# Altium PCB Lancelot.PcbDoc (part 12 of 14)
Units mil, origin at the board's own origin, x right, y up, seen from the top; angles counter-clockwise.
Board outline 4837.61 x 3252.61 mil, 6 copper layers (Top Layer, Mid-Layer 1, Mid-Layer 2, Mid-Layer 3, Mid-Layer 4, Bottom Layer); 372 components, 275 nets, 2062 pads, 1350 vias.
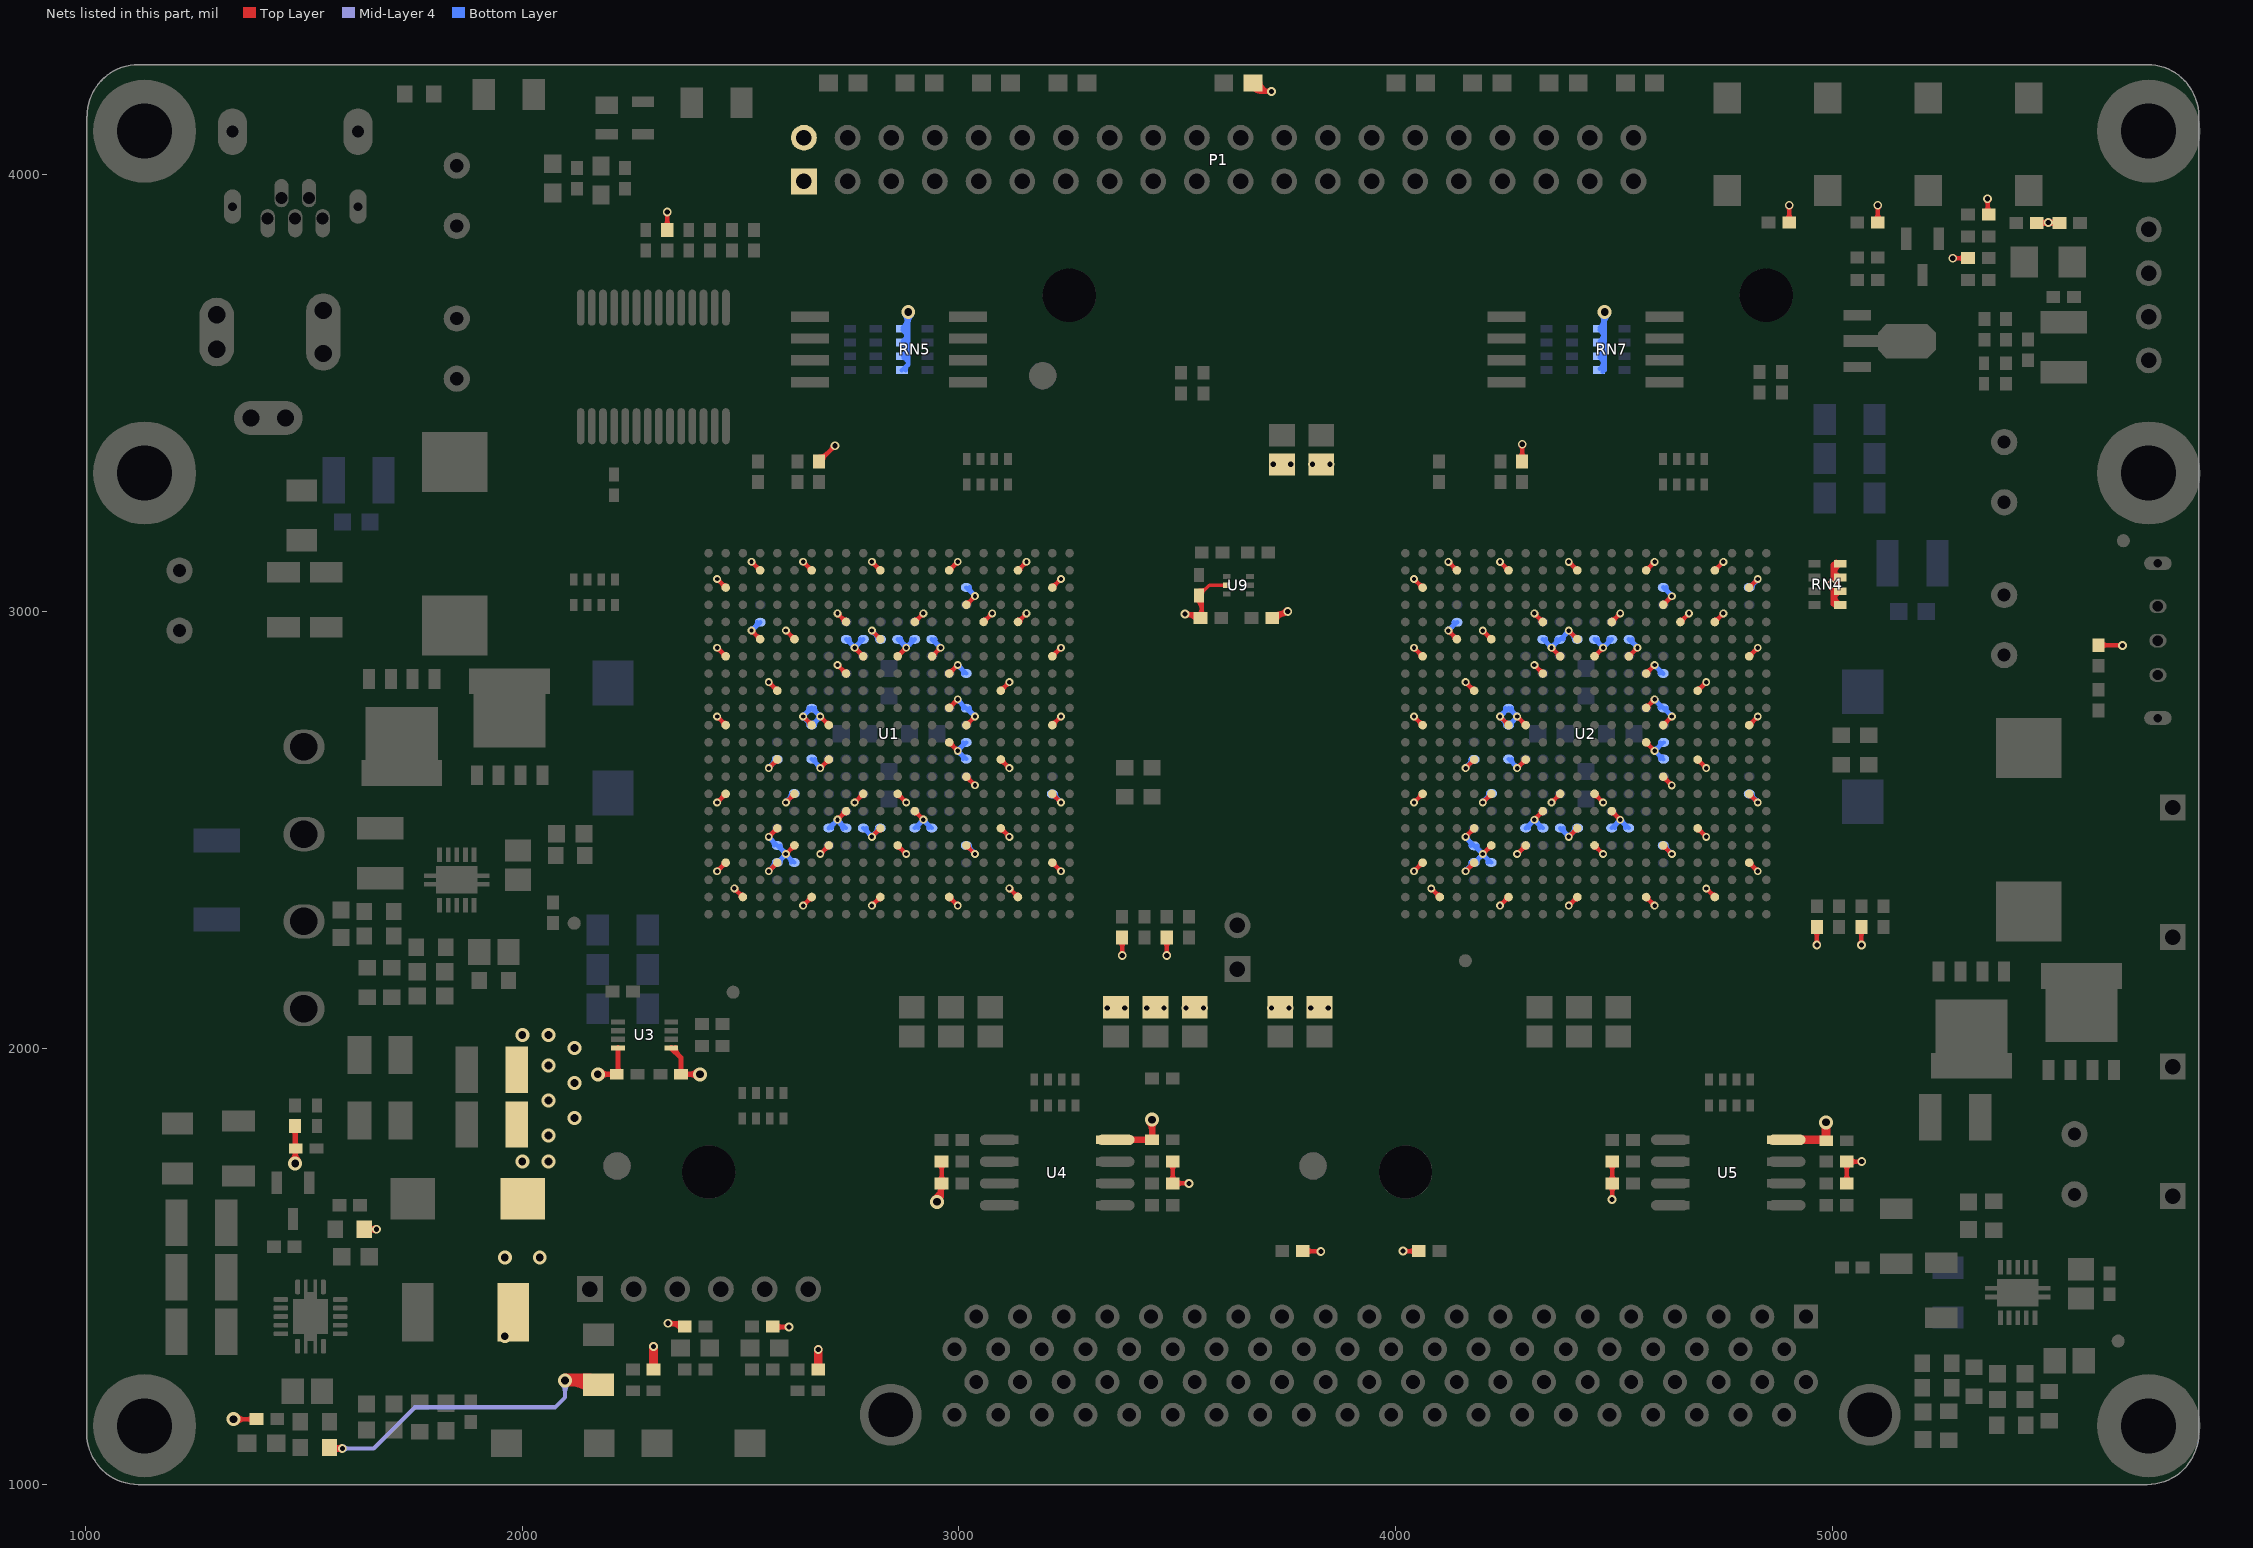
[diagram p16: the nets of this part, all layers, seen from the top]

## Via types
v1: diameter 18, hole 10, Top Layer to Bottom Layer, tented both sides, 625 vias
v2: diameter 20, hole 12, Top Layer to Bottom Layer, tented both sides, 515 vias
v3: diameter 32, hole 18, Top Layer to Bottom Layer, tented both sides, 191 vias
v4: diameter 23.62, hole 11.81, Top Layer to Bottom Layer, tented bottom, 10 vias
v5: diameter 19.68, hole 11.81, Top Layer to Bottom Layer, tented bottom, 4 vias
v6: diameter 118.11, hole 118.11, Top Layer to Bottom Layer, tented bottom, 2 vias
v7: diameter 78.74, hole 78.74, Top Layer to Bottom Layer, tented bottom, 2 vias
v8: diameter 50, hole 28, Top Layer to Bottom Layer, tented both sides, 1 vias

## Nets (pads, with @x,y where several pads share a name; then routed paths per layer and width w, separated by ;. In a path a pad name is that pad's centre, name@x,y a point inside that pad or via, vN(x,y) a via of type N, cw(c..) or ccw(c..) an arc to the next point about the centre after c; other vN are vias at no path point) (continued)
VCC3V3: C1.2 C3.1 C4.2 C7.2 C8.2 C35.2 C36.2 C37.2 C38.2 C39.2 C40.2 C41.2 C42.2 C43.2 C44.2 C45.2 C46.2 C47.2 C48.2 C49.2 C50.2 C51.2 C52.2 C53.2 C54.2 C55.2 C56.2 C57.2 C58.2 C59.1 C60.2 C61.2 C62.2 C63.2 C64.2 C65.2 C101.2 C102.2 C103.2 C104.2 C105.2 C106.2 C107.2 C108.2 C109.2 C110.2 C111.2 C112.2 C113.2 C114.2 C115.2 C116.2 C117.2 C118.2 C119.2 C120.2 C121.2 C122.2 C123.2 C124.2 C125.2 C126.2 C127.2 C128.2 C129.2 C130.2 C131.2 C132.2 C133.2 C134.2 C172.2 C173.2 C182.1 F1.2 HOT.1 L3.2 P1.1 P1.2 R1.2 R5.1 R7.1 R9.1 R11.1 R14.1 R15.1 R16.1 R18.1 R19.1 R20.1 R23.1 R27.1 R28.1 R29.1 R31.1 R32.1 R33.1 R36.1 R58.2 R59.2 R62.2 R64.2 R69.2 R70.2 R73.1 R74.2 R83.1 R85.1 R87.1 R89.1 R91.1 R93.1 R96.2 RN4.1 RN4.2 RN4.3 RN4.4 RN5.1 RN5.2 RN5.3 RN5.4 RN7.1 RN7.2 RN7.3 RN7.4 U1.AA3 U1.AA7 U1.AA11 U1.AA15 U1.AA19 U1.B4 U1.B7 U1.B11 U1.B15 U1.B19 U1.C2 U1.C21 U1.D16 U1.E9 U1.E13 U1.E17 U1.E19 U1.F4 U1.F6 U1.F11 U1.G2 U1.G10 U1.G12 U1.G14 U1.G21 U1.H9 U1.H15 U1.J5 U1.J18 U1.K15 U1.L2 U1.L7 U1.L8 U1.L16 U1.L21 U1.M15 U1.N5 U1.N8 U1.N18 U1.P16 U1.R2 U1.R6 U1.R10 U1.R12 U1.R21 U1.T9 U1.T13 U1.U5 U1.U11 U1.U18 U1.V6 U1.V8 U1.V12 U1.V16 U1.W2 U1.W5 U1.W21 U2.AA3 U2.AA7 U2.AA11 U2.AA15 U2.AA19 U2.B4 U2.B7 U2.B11 U2.B15 U2.B19 U2.C2 U2.C21 U2.D16 U2.E9 U2.E13 U2.E17 U2.E19 U2.F4 U2.F6 U2.F11 U2.G2 U2.G10 U2.G12 U2.G14 U2.G21 U2.H9 U2.H15 U2.J5 U2.J18 U2.K15 U2.L2 U2.L7 U2.L8 U2.L16 U2.L21 U2.M15 U2.N5 U2.N8 U2.N18 U2.P16 U2.R2 U2.R6 U2.R10 U2.R12 U2.R21 U2.T9 U2.T13 U2.U5 U2.U11 U2.U18 U2.V6 U2.V8 U2.V12 U2.V16 U2.W2 U2.W5 U2.W21 U3.1 U3.8 U4.8 U5.8 U9.5 | length 18862.4
  Top Layer w7: C182.1@3550,3036.38 3573.62,3060 U9.5@3613.43,3060 ; C182.1@3550,3048.63 ccw(c3550,3078.2) 3570.91,3057.29 ; C182.1@3558.31,3040.32 cw(c3568.87,3040.32) C182.1@3561.4,3047.78
  Top Layer w10: v3(1339,1150) R58.2@1391.38,1150 ; v3@1346.78,1142.22 cw(c1365.56,1123.44) 1365.56,1150 cw(c1365.56,1176.56) v3@1346.78,1157.78 ; R58.2@1383.2,1143.79 ccw(c1368.21,1128.8) 1368.21,1150 ccw(c1368.21,1171.2) R58.2@1383.2,1156.21 ; R64.2@1554.53,1095 1566.53,1083 v2(1588,1083) ; R64.2@1567.69,1074.28 cw(c1588,1054.99) v2(1588,1083) ; R64.2@1567.72,1091.75 ccw(c1588,1110.87) v2(1588,1083) ; v2@1583.67,1080.5 ccw(c1573.22,1074.47) 1576.34,1086.12 ccw(c1579.46,1097.79) v2@1585.5,1087.33 ; v2@1583.67,1085.5 cw(c1573.22,1091.53) 1576.34,1079.88 cw(c1579.46,1068.21) v2@1585.5,1078.67 ; v2@1584.46,1079.46 ccw(c1575.93,1070.93) 1575.93,1083 ccw(c1575.93,1095.07) v2@1584.46,1086.54 ; R59.2@1628.62,1585 v2(1666,1585) ; R59.2@1648.15,1576.75 cw(c1666,1561.55) v2(1666,1585) ; R59.2@1648.15,1593.25 ccw(c1666,1608.45) v2(1666,1585) ; v2@1661.67,1582.5 ccw(c1651.22,1576.46) 1654.34,1588.12 ccw(c1657.46,1599.78) v2@1663.5,1589.33 ; v2@1661.67,1587.5 cw(c1651.22,1593.53) 1654.34,1581.88 cw(c1657.46,1570.21) v2@1663.5,1580.67 ; v2@1662.46,1581.46 ccw(c1653.93,1572.93) 1653.93,1585 ccw(c1653.93,1597.07) v2@1662.46,1588.54 ; R96.2@2325.79,3881.8 ccw(c2310.8,3896.79) 2332,3896.79 ccw(c2353.2,3896.79) R96.2@2338.21,3881.8 ; v2@2328.46,3911.46 cw(c2319.93,3902.93) 2332,3902.93 cw(c2344.07,3902.93) v2@2335.54,3911.46 ; R96.2@2332,3873.62 v2(2332,3915) ; v2@2336.5,1365.67 cw(c2342.54,1355.21) 2345.66,1366.88 cw(c2348.78,1378.53) v2@2338.33,1372.5 ; v2@2337.54,1366.46 cw(c2346.07,1357.93) 2346.07,1370 cw(c2346.07,1382.07) v2@2337.54,1373.54 ; 2355.7,1370 cw(c2355.7,1349.43) R19.1@2371.34,1362.79 ; R19.1@2363.73,1356.3 ccw(c2334,1330.89) v2(2334,1370) R19.1@2372.38,1370 ; v1(2446.3,2405.04) U1.W2@2465.98,2424.72 ; v1@2446.3,2409.04 ccw(c2446.3,2418.7) 2453.13,2411.87 ccw(c2459.96,2405.04) v1@2450.3,2405.04 ; v1(2446.3,2562.52) U1.R2@2465.98,2582.2 ; v1@2446.3,2566.52 ccw(c2446.3,2576.18) 2453.13,2569.35 ccw(c2459.96,2562.52) v1@2450.3,2562.52 ; v1@2446.3,2755.37 cw(c2446.3,2745.71) 2453.13,2752.54 cw(c2459.96,2759.37) v1@2450.3,2759.37 ; v1(2446.3,2759.37) U1.L2@2465.98,2739.69 ; v1@2446.3,2912.85 cw(c2446.3,2903.19) 2453.13,2910.02 cw(c2459.96,2916.85) v1@2450.3,2916.85 ; v1(2446.3,2916.85) U1.G2@2465.98,2897.17 ; v1@2446.3,3070.33 cw(c2446.3,3060.67) 2453.13,3067.5 cw(c2459.96,3074.33) v1@2450.3,3074.33 ; v1(2446.3,3074.33) U1.C2@2465.98,3054.65 ; U1.W2@2461.14,2424.72 cw(c2449.45,2424.72) 2457.72,2416.46 cw(c2465.98,2408.19) U1.W2@2465.98,2419.88 ; U1.R2@2461.14,2582.2 cw(c2449.45,2582.2) 2457.72,2573.94 cw(c2465.98,2565.67) U1.R2@2465.98,2577.36 ; U1.L2@2461.14,2739.69 ccw(c2449.45,2739.69) 2457.72,2747.95 ccw(c2465.98,2756.22) U1.L2@2465.98,2744.53 ; U1.G2@2461.14,2897.17 ccw(c2449.45,2897.17) 2457.72,2905.43 ccw(c2465.98,2913.7) U1.G2@2465.98,2902.01 ; U1.C2@2461.14,3054.65 ccw(c2449.45,3054.65) 2457.72,3062.91 ccw(c2465.98,3071.18) U1.C2@2465.98,3059.49 ; v1@2485.67,2361.67 cw(c2485.67,2352.01) 2492.5,2358.84 cw(c2499.33,2365.67) v1@2489.67,2365.67 ; v1(2485.67,2365.67) U1.AA3@2505.35,2345.98 ; U1.AA3@2500.51,2345.98 ccw(c2488.82,2345.98) 2497.09,2354.25 ccw(c2505.35,2362.52) U1.AA3@2505.35,2350.83 ; v1@2525.04,2952.22 cw(c2525.04,2942.56) 2531.87,2949.39 cw(c2538.7,2956.22) v1@2529.04,2956.22 ; v1(2525.04,2956.22) U1.F4@2544.72,2936.54 ; v1@2525.04,3109.7 cw(c2525.04,3100.04) 2531.87,3106.87 cw(c2538.7,3113.7) v1@2529.04,3113.7 ; v1(2525.04,3113.7) U1.B4@2544.72,3094.02 ; U1.F4@2539.88,2936.54 ccw(c2528.19,2936.54) 2536.46,2944.8 ccw(c2544.72,2953.07) U1.F4@2544.72,2941.38 ; U1.B4@2539.88,3094.02 ccw(c2528.19,3094.02) 2536.46,3102.28 ccw(c2544.72,3110.55) U1.B4@2544.72,3098.86 ; v1(2564.41,2405.04) U1.W5@2584.09,2424.72 ; v1@2564.41,2409.04 ccw(c2564.41,2418.7) 2571.24,2411.87 ccw(c2578.07,2405.04) v1@2568.41,2405.04 ; v1(2564.41,2483.78) U1.U5@2584.09,2503.46 ; v1@2564.41,2487.78 ccw(c2564.41,2497.44) 2571.24,2490.61 ccw(c2578.07,2483.78) v1@2568.41,2483.78 ; v1(2564.41,2641.26) U1.N5@2584.09,2660.95 ; v1@2564.41,2645.26 ccw(c2564.41,2654.92) 2571.24,2648.09 ccw(c2578.07,2641.26) v1@2568.41,2641.26 ; v1@2564.41,2834.11 cw(c2564.41,2824.45) 2571.24,2831.28 cw(c2578.07,2838.11) v1@2568.41,2838.11 ; v1(2564.41,2838.11) U1.J5@2584.09,2818.43 ; R27.1@2573.62,1360 2610,1360 v2(2611,1361) ; U1.W5@2579.25,2424.72 cw(c2567.56,2424.72) 2575.83,2416.46 cw(c2584.09,2408.19) U1.W5@2584.09,2419.88 ; U1.U5@2579.25,2503.46 cw(c2567.56,2503.46) 2575.83,2495.2 cw(c2584.09,2486.93) U1.U5@2584.09,2498.62 ; U1.N5@2579.25,2660.95 cw(c2567.56,2660.95) 2575.83,2652.68 cw(c2584.09,2644.41) U1.N5@2584.09,2656.1 ; U1.J5@2579.25,2818.43 ccw(c2567.56,2818.43) 2575.83,2826.69 ccw(c2584.09,2834.96) U1.J5@2584.09,2823.27 ; R27.1@2581.8,1355.79 cw(c2591.96,1345.63) 2591.96,1360 ; R27.1@2581.8,1368.21 ccw(c2601.61,1388.02) v2@2601.61,1360 ; 2593.28,1362.23 ccw(c2597.76,1378.94) v2@2608.03,1365.02 ; 2596.51,1360 ccw(c2596.51,1375.49) v2@2607.46,1364.54 ; v1(2603.78,2444.41) U1.V6@2623.46,2464.09 ; v1@2603.78,2448.41 ccw(c2603.78,2458.07) 2610.61,2451.24 ccw(c2617.44,2444.41) v1@2607.78,2444.41 ; v1(2603.78,2562.52) U1.R6@2623.46,2582.2 ; v1@2603.78,2566.52 ccw(c2603.78,2576.18) 2610.61,2569.35 ccw(c2617.44,2562.52) v1@2607.78,2562.52 ; v1@2603.78,2952.22 cw(c2603.78,2942.56) 2610.61,2949.39 cw(c2617.44,2956.22) v1@2607.78,2956.22 ; v1(2603.78,2956.22) U1.F6@2623.46,2936.54 ; U1.V6@2618.62,2464.09 cw(c2606.93,2464.09) 2615.2,2455.83 cw(c2623.46,2447.56) U1.V6@2623.46,2459.25 ; U1.R6@2618.62,2582.2 cw(c2606.93,2582.2) 2615.2,2573.94 cw(c2623.46,2565.67) U1.R6@2623.46,2577.36 ; U1.F6@2618.62,2936.54 ccw(c2606.93,2936.54) 2615.2,2944.8 ccw(c2623.46,2953.07) U1.F6@2623.46,2941.38 ; v1(2643.15,2326.3) U1.AA7@2662.83,2345.98 ; v1@2643.15,2330.3 ccw(c2643.15,2339.96) 2649.98,2333.13 ccw(c2656.81,2326.3) v1@2647.15,2326.3 ; v1@2643.15,2755.37 cw(c2643.15,2745.71) 2649.98,2752.54 cw(c2656.81,2759.37) v1@2647.15,2759.37 ; v1(2643.15,2759.37) U1.L7@2662.83,2739.69 ; v1@2643.15,3109.7 cw(c2643.15,3100.04) 2649.98,3106.87 cw(c2656.81,3113.7) v1@2647.15,3113.7 ; v1(2643.15,3113.7) U1.B7@2662.83,3094.02 ; U1.AA7@2657.99,2345.98 cw(c2646.3,2345.98) 2654.57,2337.72 cw(c2662.83,2329.45) U1.AA7@2662.83,2341.14 ; U1.L7@2657.99,2739.69 ccw(c2646.3,2739.69) 2654.57,2747.95 ccw(c2662.83,2756.22) U1.L7@2662.83,2744.53 ; U1.B7@2657.99,3094.02 ccw(c2646.3,3094.02) 2654.57,3102.28 ccw(c2662.83,3110.55) U1.B7@2662.83,3098.86 ; R85.1@2680,3343.62 v2(2716,3379.62) ; R85.1@2680,3354.37 ccw(c2680,3380.32) 2698.35,3361.97 ; v1(2682.52,2444.41) U1.V8@2702.2,2464.09 ; v1@2682.52,2448.41 ccw(c2682.52,2458.07) 2689.35,2451.24 ccw(c2696.18,2444.41) v1@2686.52,2444.41 ; v1(2682.52,2641.26) U1.N8@2702.2,2660.95 ; v1@2682.52,2645.26 ccw(c2682.52,2654.92) 2689.35,2648.09 ccw(c2696.18,2641.26) v1@2686.52,2641.26 ; v1@2682.52,2755.37 cw(c2682.52,2745.71) 2689.35,2752.54 cw(c2696.18,2759.37) v1@2686.52,2759.37 ; v1(2682.52,2759.37) U1.L8@2702.2,2739.69 ; R85.1@2688.78,3345.59 cw(c2705.22,3345.59) R85.1@2693.6,3357.22 ; U1.V8@2697.36,2464.09 cw(c2685.67,2464.09) 2693.94,2455.83 cw(c2702.2,2447.56) U1.V8@2702.2,2459.25 ; U1.N8@2697.36,2660.95 cw(c2685.67,2660.95) 2693.94,2652.68 cw(c2702.2,2644.41) U1.N8@2702.2,2656.1 ; U1.L8@2697.36,2739.69 ccw(c2685.67,2739.69) 2693.94,2747.95 ccw(c2702.2,2756.22) U1.L8@2702.2,2744.53 ; v2@2711,3379.62 cw(c2698.93,3379.62) 2707.46,3371.09 cw(c2716,3362.55) v2@2716,3374.62 ; v1(2721.89,2523.15) U1.T9@2741.57,2542.83 ; v1@2721.89,2527.15 ccw(c2721.89,2536.81) 2728.72,2529.98 ccw(c2735.55,2523.15) v1@2725.89,2523.15 ; v1@2721.89,2873.48 cw(c2721.89,2863.82) 2728.72,2870.65 cw(c2735.55,2877.48) v1@2725.89,2877.48 ; v1(2721.89,2877.48) U1.H9@2741.57,2857.8 ; v1@2721.89,2991.59 cw(c2721.89,2981.93) 2728.72,2988.76 cw(c2735.55,2995.59) v1@2725.89,2995.59 ; v1(2721.89,2995.59) U1.E9@2741.57,2975.91 ; U1.T9@2736.73,2542.83 cw(c2725.04,2542.83) 2733.31,2534.57 cw(c2741.57,2526.3) U1.T9@2741.57,2537.99 ; U1.H9@2736.73,2857.8 ccw(c2725.04,2857.8) 2733.31,2866.06 ccw(c2741.57,2874.33) U1.H9@2741.57,2862.64 ; U1.E9@2736.73,2975.91 ccw(c2725.04,2975.91) 2733.31,2984.17 ccw(c2741.57,2992.44) U1.E9@2741.57,2980.75 ; v1(2761.26,2562.52) U1.R10@2780.94,2582.2 ; v1@2761.26,2566.52 ccw(c2761.26,2576.18) 2768.09,2569.35 ccw(c2774.92,2562.52) v1@2765.26,2562.52 ; v1@2761.26,2912.85 cw(c2761.26,2903.19) 2768.09,2910.02 cw(c2774.92,2916.85) v1@2765.26,2916.85 ; v1(2761.26,2916.85) U1.G10@2780.94,2897.17 ; U1.R10@2776.1,2582.2 cw(c2764.41,2582.2) 2772.68,2573.94 cw(c2780.94,2565.67) U1.R10@2780.94,2577.36 ; U1.G10@2776.1,2897.17 ccw(c2764.41,2897.17) 2772.68,2905.43 ccw(c2780.94,2913.7) U1.G10@2780.94,2902.01 ; v1(2800.63,2326.3) U1.AA11@2820.32,2345.98 ; v1@2800.63,2330.3 ccw(c2800.63,2339.96) 2807.46,2333.13 ccw(c2814.29,2326.3) v1@2804.63,2326.3 ; v1(2800.63,2483.78) U1.U11@2820.32,2503.46 ; v1@2800.63,2487.78 ccw(c2800.63,2497.44) 2807.46,2490.61 ccw(c2814.29,2483.78) v1@2804.63,2483.78 ; v1@2800.63,2952.22 cw(c2800.63,2942.56) 2807.46,2949.39 cw(c2814.29,2956.22) v1@2804.63,2956.22 ; v1(2800.63,2956.22) U1.F11@2820.32,2936.54 ; v1@2800.63,3109.7 cw(c2800.63,3100.04) 2807.46,3106.87 cw(c2814.29,3113.7) v1@2804.63,3113.7 ; v1(2800.63,3113.7) U1.B11@2820.32,3094.02 ; U1.AA11@2815.47,2345.98 cw(c2803.78,2345.98) 2812.05,2337.72 cw(c2820.32,2329.45) U1.AA11@2820.32,2341.14 ; U1.U11@2815.47,2503.46 cw(c2803.78,2503.46) 2812.05,2495.2 cw(c2820.32,2486.93) U1.U11@2820.32,2498.62 ; U1.F11@2815.47,2936.54 ccw(c2803.78,2936.54) 2812.05,2944.8 ccw(c2820.32,2953.07) U1.F11@2820.32,2941.38 ; U1.B11@2815.47,3094.02 ccw(c2803.78,3094.02) 2812.05,3102.28 ccw(c2820.32,3110.55) U1.B11@2820.32,3098.86 ; U1.V12@2859.69,2459.25 cw(c2859.69,2447.56) 2867.95,2455.83 cw(c2876.22,2464.09) U1.V12@2864.53,2464.09 ; U1.V12@2859.69,2464.09 v1(2879.37,2444.41) ; U1.R12@2859.69,2577.36 cw(c2859.69,2565.67) 2867.95,2573.94 cw(c2876.22,2582.2) U1.R12@2864.53,2582.2 ; U1.R12@2859.69,2582.2 v1(2879.37,2562.52) ; U1.G12@2859.69,2897.17 v1(2879.37,2916.85) ; U1.G12@2859.69,2902.01 ccw(c2859.69,2913.7) 2867.95,2905.43 ccw(c2876.22,2897.17) U1.G12@2864.53,2897.17 ; v1@2875.37,2444.41 ccw(c2865.71,2444.41) 2872.54,2451.24 ccw(c2879.37,2458.07) v1@2879.37,2448.41 ; v1@2875.37,2562.52 ccw(c2865.71,2562.52) 2872.54,2569.35 ccw(c2879.37,2576.18) v1@2879.37,2566.52 ; v1@2875.37,2916.85 cw(c2865.71,2916.85) 2872.54,2910.02 cw(c2879.37,2903.19) v1@2879.37,2912.85 ; U1.T13@2899.06,2537.99 cw(c2899.06,2526.3) 2907.32,2534.57 cw(c2915.59,2542.83) U1.T13@2903.9,2542.83 ; U1.T13@2899.06,2542.83 v1(2918.74,2523.15) ; U1.E13@2899.06,2975.91 v1(2918.74,2995.59) ; U1.E13@2899.06,2980.75 ccw(c2899.06,2992.44) 2907.32,2984.17 ccw(c2915.59,2975.91) U1.E13@2903.9,2975.91 ; v1@2914.74,2523.15 ccw(c2905.08,2523.15) 2911.91,2529.98 ccw(c2918.74,2536.81) v1@2918.74,2527.15 ; v1@2914.74,2995.59 cw(c2905.08,2995.59) 2911.91,2988.76 cw(c2918.74,2981.93) v1@2918.74,2991.59 ; U1.G14@2938.43,2897.17 v1(2958.11,2916.85) ; U1.G14@2938.43,2902.01 ccw(c2938.43,2913.7) 2946.69,2905.43 ccw(c2954.96,2897.17) U1.G14@2943.27,2897.17 ; v3@2943.53,1656.89 ccw(c2919.43,1690) R29.1@2960.38,1690 ; v3@2949.41,1648.81 ccw(c2933.73,1670.35) 2960.38,1670.35 ; v3(2950,1648) 2960.38,1658.38 R29.1@2960.38,1690 ; v1@2954.11,2916.85 cw(c2944.45,2916.85) 2951.28,2910.02 cw(c2958.11,2903.19) v1@2958.11,2912.85 ; R29.1@2954.17,1683.79 cw(c2939.18,1668.8) 2960.38,1668.8 cw(c2981.57,1668.8) R29.1@2966.59,1683.79 ; R29.1@2954.17,1696.21 ccw(c2939.18,1711.2) 2960.38,1711.2 ccw(c2981.57,1711.2) R29.1@2966.59,1696.21 ; R20.1@2954.17,1733.79 cw(c2939.18,1718.8) 2960.38,1718.8 cw(c2981.57,1718.8) R20.1@2966.59,1733.79 ; R20.1@2960.38,1740 R29.1@2960.38,1690 ; U1.AA15@2977.8,2341.14 cw(c2977.8,2329.45) 2986.06,2337.72 cw(c2994.33,2345.98) U1.AA15@2982.64,2345.98 ; U1.AA15@2977.8,2345.98 v1(2997.48,2326.3) ; U1.M15@2977.8,2695.47 cw(c2977.8,2683.78) 2986.06,2692.05 cw(c2994.33,2700.32) U1.M15@2982.64,2700.32 ; U1.M15@2977.8,2700.32 v1(2997.48,2680.63) ; U1.K15@2977.8,2779.06 v1(2997.48,2798.74) ; U1.K15@2977.8,2783.9 ccw(c2977.8,2795.59) 2986.06,2787.32 ccw(c2994.33,2779.06) U1.K15@2982.64,2779.06 ; U1.H15@2977.8,2857.8 v1(2997.48,2877.48) ; U1.H15@2977.8,2862.64 ccw(c2977.8,2874.33) 2986.06,2866.06 ccw(c2994.33,2857.8) U1.H15@2982.64,2857.8 ; U1.B15@2977.8,3094.02 v1(2997.48,3113.7) ; U1.B15@2977.8,3098.86 ccw(c2977.8,3110.55) 2986.06,3102.28 ccw(c2994.33,3094.02) U1.B15@2982.64,3094.02 ; v1@2993.48,2326.3 ccw(c2983.82,2326.3) 2990.65,2333.13 ccw(c2997.48,2339.96) v1@2997.48,2330.3 ; v1@2993.48,2680.63 ccw(c2983.82,2680.63) 2990.65,2687.46 ccw(c2997.48,2694.29) v1@2997.48,2684.63 ; v1@2993.48,2798.74 cw(c2983.82,2798.74) 2990.65,2791.91 cw(c2997.48,2785.08) v1@2997.48,2794.74 ; v1@2993.48,2877.48 cw(c2983.82,2877.48) 2990.65,2870.65 cw(c2997.48,2863.82) v1@2997.48,2873.48 ; v1@2993.48,3113.7 cw(c2983.82,3113.7) 2990.65,3106.87 cw(c2997.48,3100.04) v1@2997.48,3109.7 ; U1.P16@3017.08,2621.49 v1(3036.77,2601.8) ; U1.V16@3017.17,2459.25 cw(c3017.17,2447.56) 3025.43,2455.83 cw(c3033.7,2464.09) U1.V16@3022.01,2464.09 ; U1.V16@3017.17,2464.09 v1(3036.85,2444.41) ; U1.P16@3017.17,2616.73 cw(c3017.17,2605.46) 3025.14,2613.43 ; U1.L16@3017.17,2739.69 v1(3036.85,2759.37) ; U1.L16@3017.17,2744.53 ccw(c3017.17,2756.22) 3025.43,2747.95 ccw(c3033.7,2739.69) U1.L16@3022.01,2739.69 ; U1.D16@3017.17,3015.28 v1(3036.85,3034.96) ; U1.D16@3017.17,3020.12 ccw(c3017.17,3031.81) 3025.43,3023.54 ccw(c3033.7,3015.28) U1.D16@3022.01,3015.28 ; U1.P16@3022.01,2621.57 ccw(c3034.12,2621.57) 3025.56,2613.01 ; v1@3032.77,2601.8 ccw(c3023.11,2601.8) 3029.94,2608.63 ccw(c3036.77,2615.46) v1@3036.77,2605.8 ; v1@3032.85,2444.41 ccw(c3023.19,2444.41) 3030.02,2451.24 ccw(c3036.85,2458.07) v1@3036.85,2448.41 ; v1@3032.85,2759.37 cw(c3023.19,2759.37) 3030.02,2752.54 cw(c3036.85,2745.71) v1@3036.85,2755.37 ; v1@3032.85,3034.96 cw(c3023.19,3034.96) 3030.02,3028.13 cw(c3036.85,3021.3) v1@3036.85,3030.96 ; U1.E17@3056.54,2975.91 v1(3076.22,2995.59) ; U1.E17@3056.54,2980.75 ccw(c3056.54,2992.44) 3064.8,2984.17 ccw(c3073.07,2975.91) U1.E17@3061.38,2975.91 ; v1@3072.22,2995.59 cw(c3062.56,2995.59) 3069.39,2988.76 cw(c3076.22,2981.93) v1@3076.22,2991.59 ; U1.U18@3095.91,2498.62 cw(c3095.91,2486.93) 3104.17,2495.2 cw(c3112.44,2503.46) U1.U18@3100.75,2503.46 ; U1.U18@3095.91,2503.46 v1(3115.59,2483.78) ; U1.N18@3095.91,2656.1 cw(c3095.91,2644.41) 3104.17,2652.68 cw(c3112.44,2660.95) U1.N18@3100.75,2660.95 ; U1.N18@3095.91,2660.95 v1(3115.59,2641.26) ; U1.J18@3095.91,2818.43 v1(3115.59,2838.11) ; U1.J18@3095.91,2823.27 ccw(c3095.91,2834.96) 3104.17,2826.69 ccw(c3112.44,2818.43) U1.J18@3100.75,2818.43 ; v1@3111.59,2483.78 ccw(c3101.93,2483.78) 3108.76,2490.61 ccw(c3115.59,2497.44) v1@3115.59,2487.78 ; v1@3111.59,2641.26 ccw(c3101.93,2641.26) 3108.76,2648.09 ccw(c3115.59,2654.92) v1@3115.59,2645.26 ; v1@3111.59,2838.11 cw(c3101.93,2838.11) 3108.76,2831.28 cw(c3115.59,2824.45) v1@3115.59,2834.11 ; v1@3115.59,2361.67 cw(c3115.59,2352.01) 3122.42,2358.84 cw(c3129.25,2365.67) v1@3119.59,2365.67 ; v1(3115.59,2365.67) U1.AA19@3135.28,2345.98 ; U1.AA19@3130.43,2345.98 ccw(c3118.74,2345.98) 3127.01,2354.25 ccw(c3135.28,2362.52) U1.AA19@3135.28,2350.83 ; U1.E19@3135.28,2975.91 v1(3154.96,2995.59) ; U1.E19@3135.28,2980.75 ccw(c3135.28,2992.44) 3143.54,2984.17 ccw(c3151.81,2975.91) U1.E19@3140.12,2975.91 ; U1.B19@3135.28,3094.02 v1(3154.96,3113.7) ; U1.B19@3135.28,3098.86 ccw(c3135.28,3110.55) 3143.54,3102.28 ccw(c3151.81,3094.02) U1.B19@3140.12,3094.02 ; v1@3150.96,2995.59 cw(c3141.3,2995.59) 3148.13,2988.76 cw(c3154.96,2981.93) v1@3154.96,2991.59 ; v1@3150.96,3113.7 cw(c3141.3,3113.7) 3148.13,3106.87 cw(c3154.96,3100.04) v1@3154.96,3109.7 ; U1.W21@3214.02,2419.88 cw(c3214.02,2408.19) 3222.28,2416.46 cw(c3230.55,2424.72) U1.W21@3218.86,2424.72 ; U1.W21@3214.02,2424.72 v1(3233.7,2405.04) ; U1.R21@3214.02,2577.36 cw(c3214.02,2565.67) 3222.28,2573.94 cw(c3230.55,2582.2) U1.R21@3218.86,2582.2 ; U1.R21@3214.02,2582.2 v1(3233.7,2562.52) ; U1.L21@3214.02,2739.69 v1(3233.7,2759.37) ; U1.L21@3214.02,2744.53 ccw(c3214.02,2756.22) 3222.28,2747.95 ccw(c3230.55,2739.69) U1.L21@3218.86,2739.69 ; U1.G21@3214.02,2897.17 v1(3233.7,2916.85) ; U1.G21@3214.02,2902.01 ccw(c3214.02,2913.7) 3222.28,2905.43 ccw(c3230.55,2897.17) U1.G21@3218.86,2897.17 ; U1.C21@3214.02,3054.65 v1(3233.7,3074.33) ; U1.C21@3214.02,3059.49 ccw(c3214.02,3071.18) 3222.28,3062.91 ccw(c3230.55,3054.65) U1.C21@3218.86,3054.65 ; v1@3229.7,2405.04 ccw(c3220.04,2405.04) 3226.87,2411.87 ccw(c3233.7,2418.7) v1@3233.7,2409.04 ; v1@3229.7,2562.52 ccw(c3220.04,2562.52) 3226.87,2569.35 ccw(c3233.7,2576.18) v1@3233.7,2566.52 ; v1@3229.7,2759.37 cw(c3220.04,2759.37) 3226.87,2752.54 cw(c3233.7,2745.71) v1@3233.7,2755.37 ; v1@3229.7,2916.85 cw(c3220.04,2916.85) 3226.87,2910.02 cw(c3233.7,2903.19) v1@3233.7,2912.85 ; v1@3229.7,3074.33 cw(c3220.04,3074.33) 3226.87,3067.5 cw(c3233.7,3060.67) v1@3233.7,3070.33 ; R5.1@3367.79,2245.2 cw(c3352.8,2230.21) 3374,2230.21 cw(c3395.2,2230.21) R5.1@3380.21,2245.2 ; v2@3370.46,2215.54 ccw(c3361.93,2224.07) 3374,2224.07 ccw(c3386.07,2224.07) v2@3377.54,2215.54 ; v2(3374,2212) R5.1@3374,2253.38 ; R7.1@3469.79,2245.2 cw(c3454.8,2230.21) 3476,2230.21 cw(c3497.2,2230.21) R7.1@3482.21,2245.2 ; v2@3472.46,2215.54 ccw(c3463.93,2224.07) 3476,2224.07 ccw(c3488.07,2224.07) v2@3479.54,2215.54 ; v2(3476,2212) R7.1@3476,2253.38 ; R28.1@3483.41,1696.21 ccw(c3468.43,1711.2) 3489.62,1711.2 ccw(c3510.82,1711.2) R28.1@3495.83,1696.21 ; R31.1@3483.41,1733.79 cw(c3468.43,1718.8) 3489.62,1718.8 cw(c3510.82,1718.8) R31.1@3495.83,1733.79 ; R31.1@3489.62,1740 R28.1@3489.62,1690 v2(3527,1690) ; R28.1@3497.8,1683.79 cw(c3512.79,1668.8) 3512.79,1690 cw(c3512.79,1711.2) R28.1@3497.8,1696.21 ; v2@3520.5,2989.67 cw(c3526.54,2979.21) 3529.66,2990.88 cw(c3532.78,3002.53) v2@3522.33,2996.5 ; v2@3521.54,2990.46 cw(c3530.07,2981.93) 3530.07,2994 cw(c3530.07,3006.07) v2@3521.54,2997.54 ; v2@3523.46,1686.46 ccw(c3514.93,1677.93) 3514.93,1690 ccw(c3514.93,1702.07) v2@3523.46,1693.54 ; 3536.79,2994 cw(c3536.79,2975.16) R70.2@3552.42,2985.68 ; R70.2@3544.13,2980.1 ccw(c3518,2962.5) v2(3518,2994) 3547.38,2994 3556.38,2985 C182.1@3556.38,3030 ; C182.1@3545.18,3027.62 cw(c3518.16,3000.6) 3556.38,3000.6 ; R70.2@3549.14,2991.21 ccw(c3531.66,3008.69) 3556.38,3008.69 ; 3556.38,3003.71 ccw(c3574.05,3003.71) R70.2@3561.55,2991.21 ; HOT.1@3670.16,4209.3 ccw(c3692.18,4212.21) 3692.18,4190 ; HOT.1@3673.46,4210 3693.46,4190 ; HOT.1@3677.38,4195.44 cw(c3679.91,4176.45) 3693.46,4190 ; HOT.1@3680.08,4210.61 ccw(c3703.59,4213.72) 3703.59,4190 ; HOT.1@3689.5,4205.77 ccw(c3704.67,4201.2) 3693.46,4190 ; HOT.1@3689.99,4211.92 ccw(c3715,4215.22) v2@3715,4190 ; 3701.51,4190 ccw(c3701.51,4205.49) v2@3712.46,4194.54 ; 3704.44,4192.83 ccw(c3706.77,4201.52) v2@3712.7,4194.76 ; R69.2@3708.62,2985 3717.62,2994 v2@3747,2994 ; v2(3716,4191) v2@3715,4190 ; R69.2@3718.48,2985.5 cw(c3731.58,2979.65) R69.2@3731.58,2994 ; R69.2@3726.44,2994 ccw(c3726.44,3026.56) v2@3749.46,3003.54 ; R69.2@3727.61,2981.42 cw(c3747,2972.76) v2@3747,2994 ; R69.2@3732.55,2990.13 ccw(c3725.67,3015.78) v2@3748.67,3002.5 ; v2(3753,3000) v2@3747,2994 ; R15.1@3787.62,1535 3828,1535 v2(3829,1534) ; R15.1@3795.8,1528.79 cw(c3810.79,1513.8) 3810.79,1535 cw(c3810.79,1556.2) R15.1@3795.8,1541.21 ; 3814.51,1535 cw(c3814.51,1519.52) v2@3825.46,1530.46 ; v2(4017,1535) R16.1@4053.38,1535 ; v2@4020.54,1531.46 cw(c4029.07,1522.93) 4029.07,1535 cw(c4029.07,1547.07) v2@4020.54,1538.54 ; v1(4042.29,2404.97) U2.W2@4061.98,2424.65 ; v1@4042.29,2408.97 ccw(c4042.29,2418.62) 4049.12,2411.8 ccw(c4055.95,2404.97) v1@4046.29,2404.97 ; v1(4042.29,2562.45) U2.R2@4061.98,2582.13 ; v1@4042.29,2566.45 ccw(c4042.29,2576.1) 4049.12,2569.28 ccw(c4055.95,2562.45) v1@4046.29,2562.45 ; v1@4042.29,2755.3 cw(c4042.29,2745.64) 4049.12,2752.47 cw(c4055.95,2759.3) v1@4046.29,2759.3 ; v1(4042.29,2759.3) U2.L2@4061.98,2739.61 ; v1@4042.29,2912.78 cw(c4042.29,2903.12) 4049.12,2909.95 cw(c4055.95,2916.78) v1@4046.29,2916.78 ; v1(4042.29,2916.78) U2.G2@4061.98,2897.09 ; v1@4042.29,3070.26 cw(c4042.29,3060.6) 4049.12,3067.43 